# Altium PCB AutoinformerPCB.PcbDoc (part 1 of 2)
Units mm, origin at the board's own origin, x right, y up, seen from the top; angles counter-clockwise.
Board outline 176 x 90 mm, 2 copper layers (Top Layer, Bottom Layer); 240 components, 152 nets, 795 pads, 255 vias.
Unrouted connection lines stored in the file: 2.
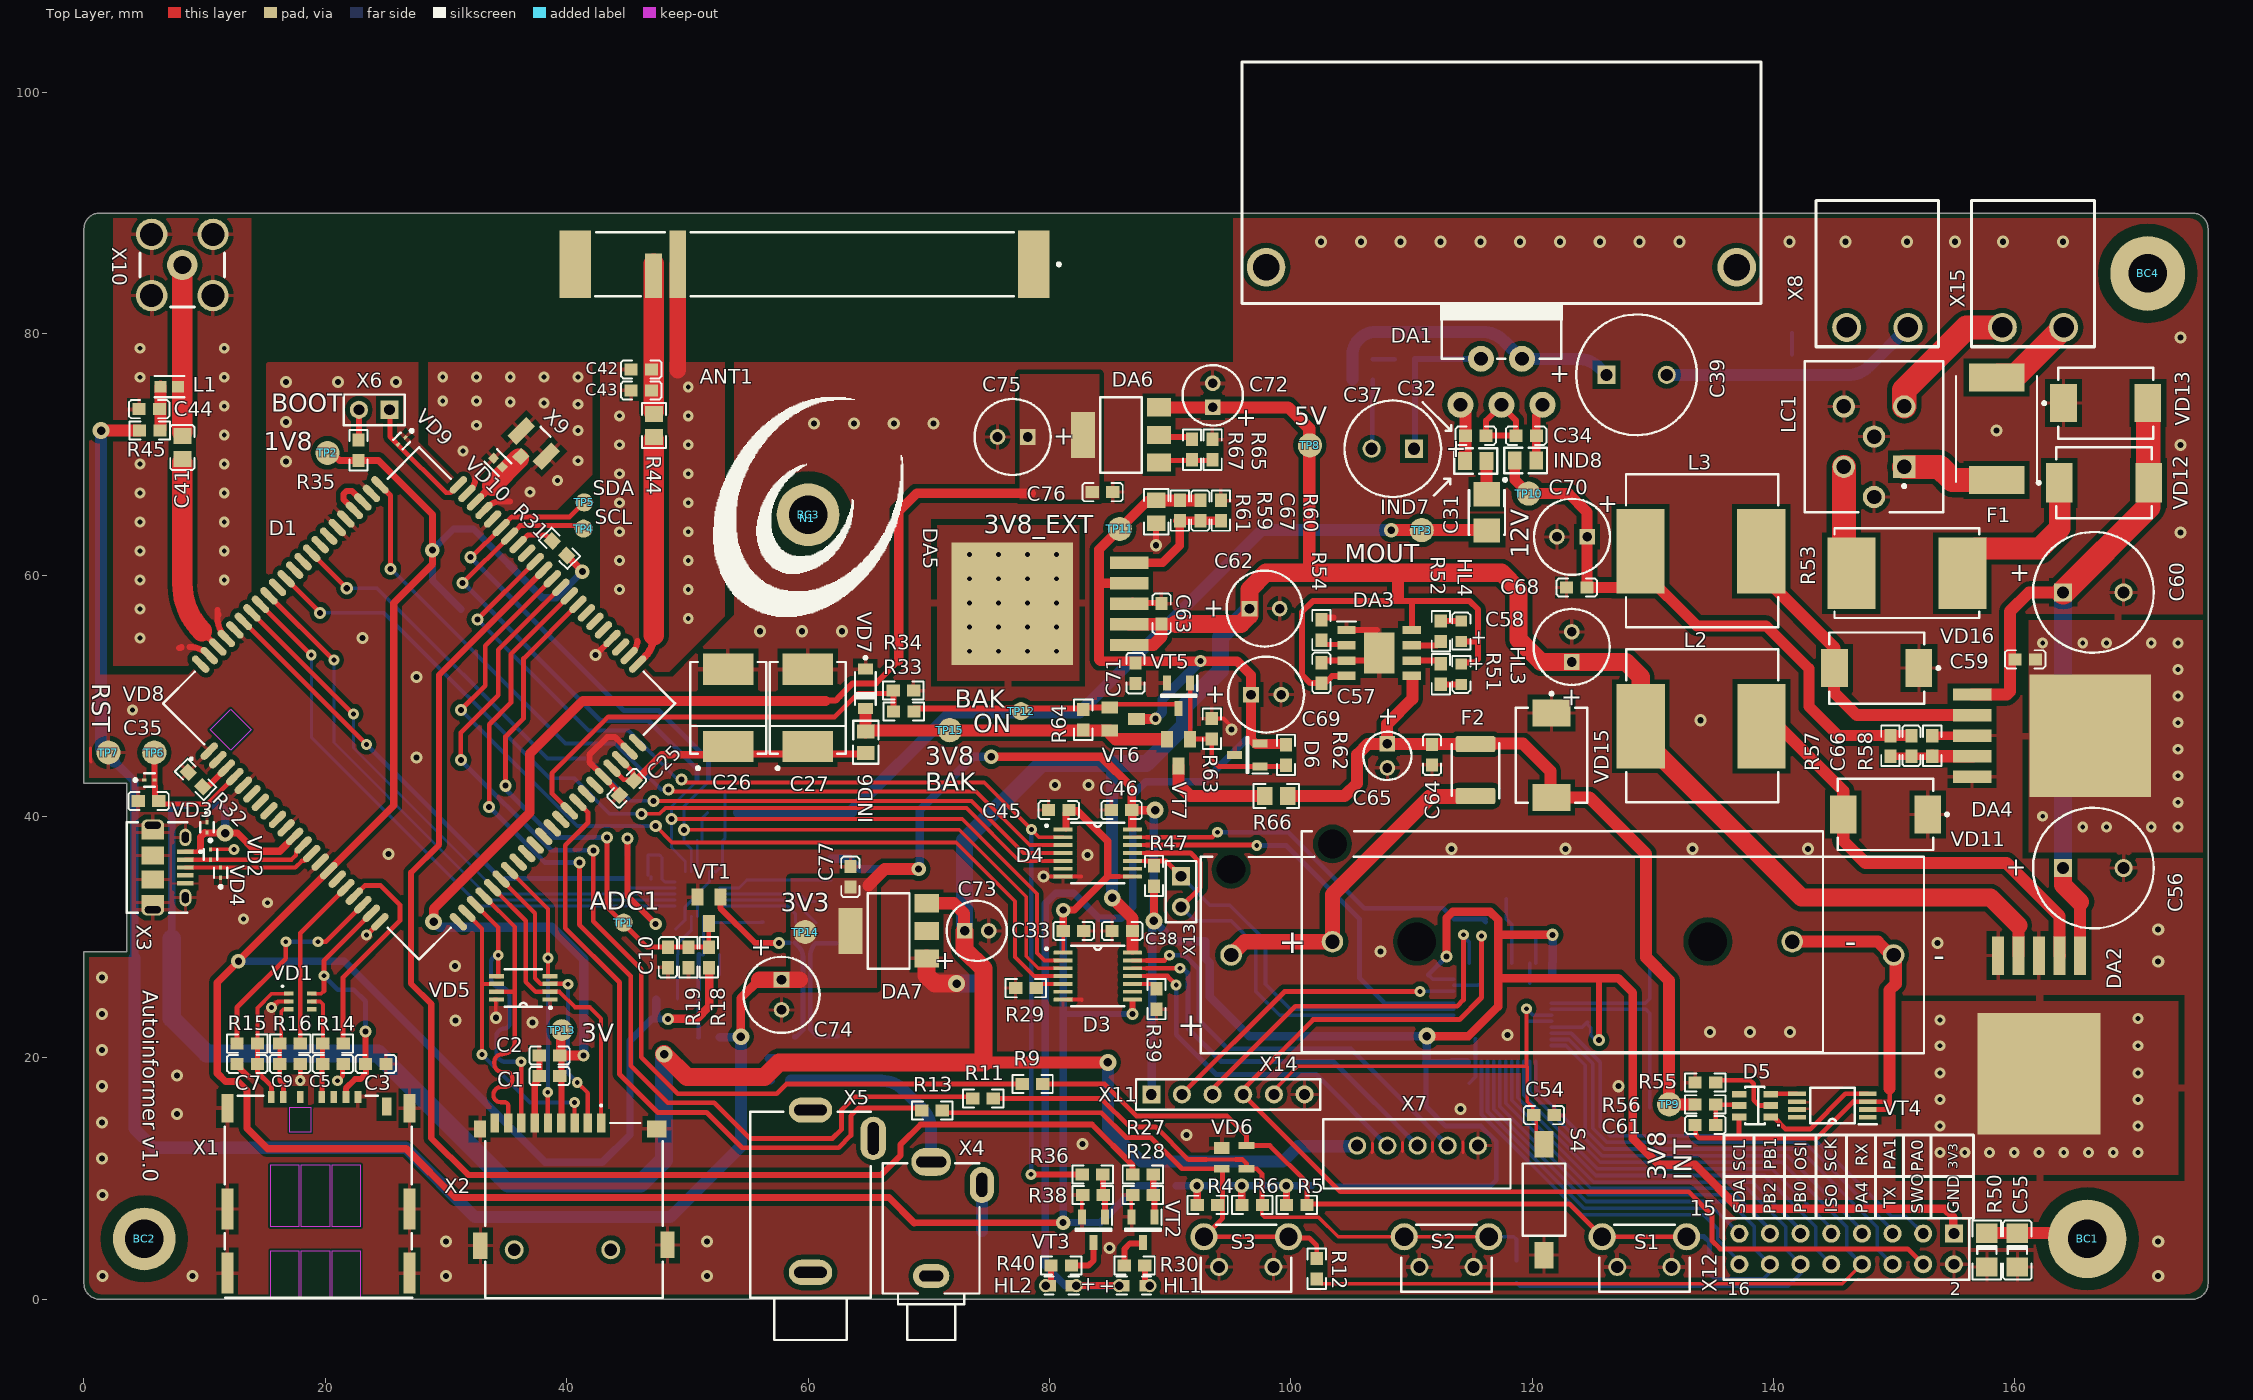
[diagram p0: Top Layer view]
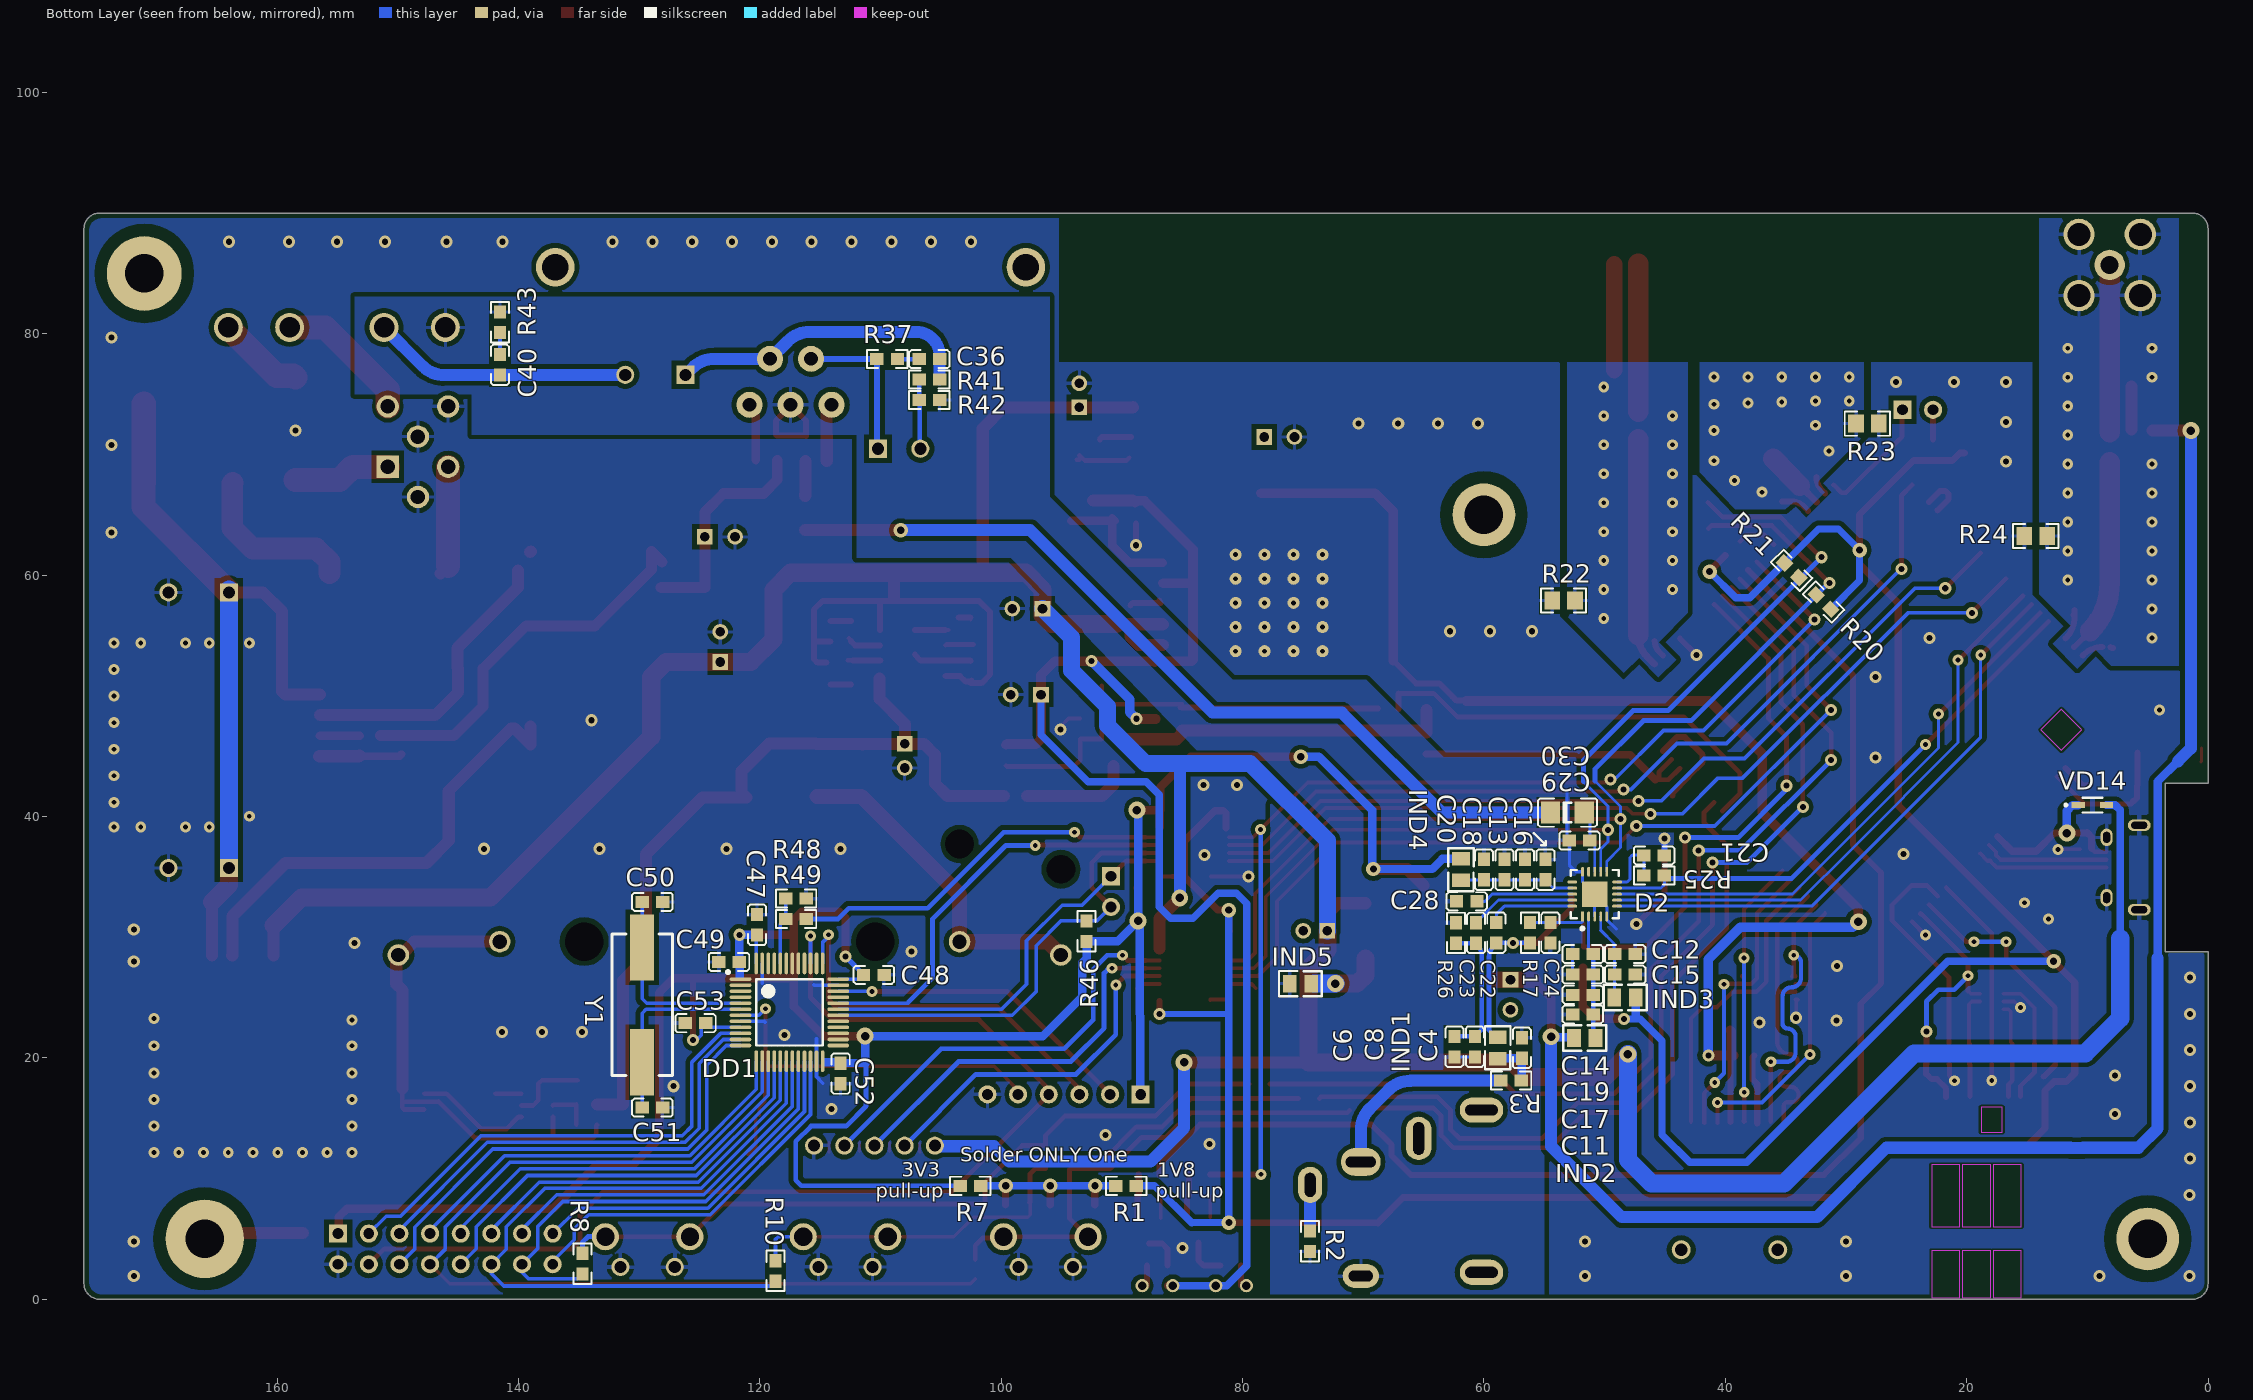
[diagram p1: Bottom Layer view, seen from below]
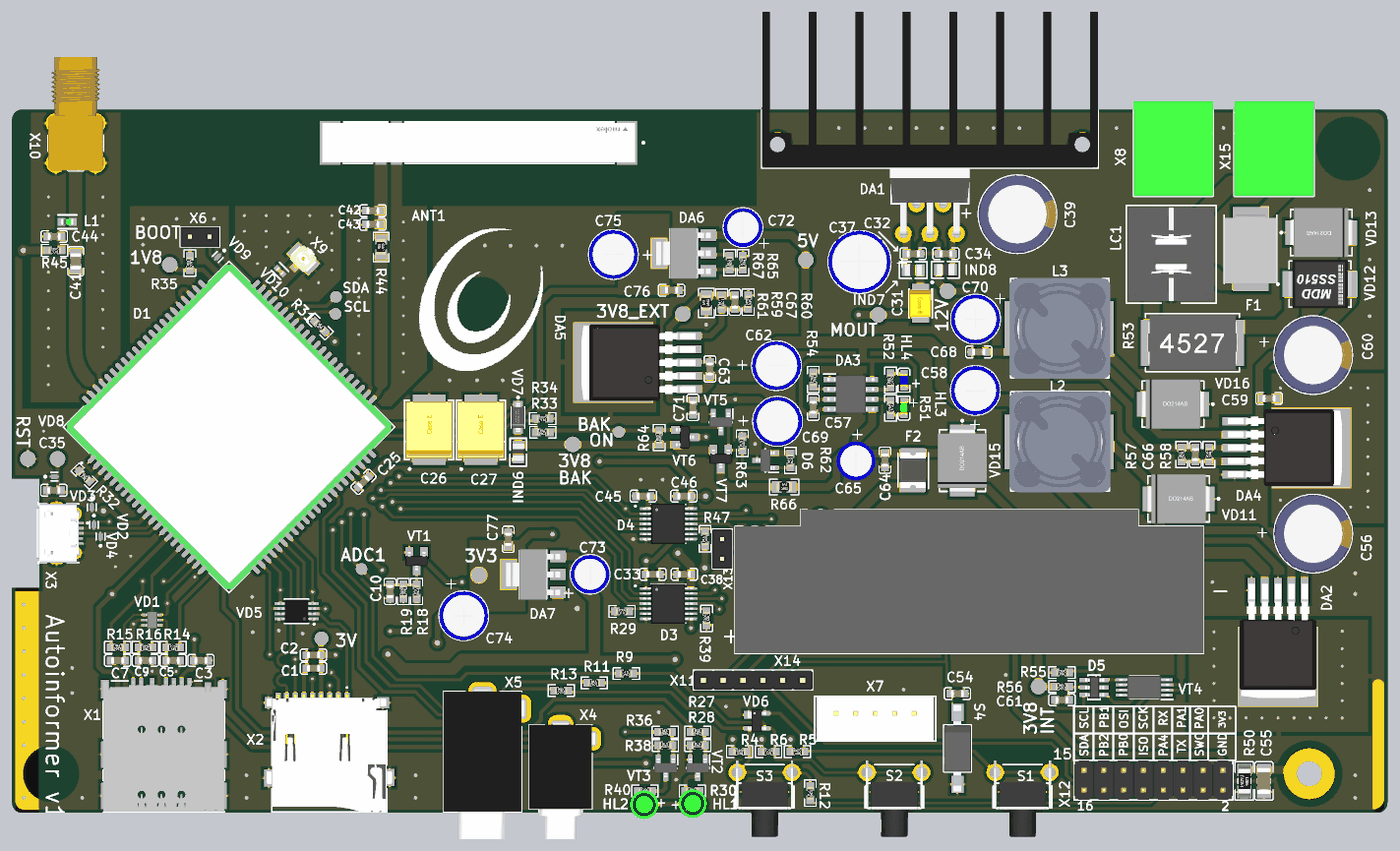
[diagram p3: 3D render of the assembled board from above, using the file's embedded part models]
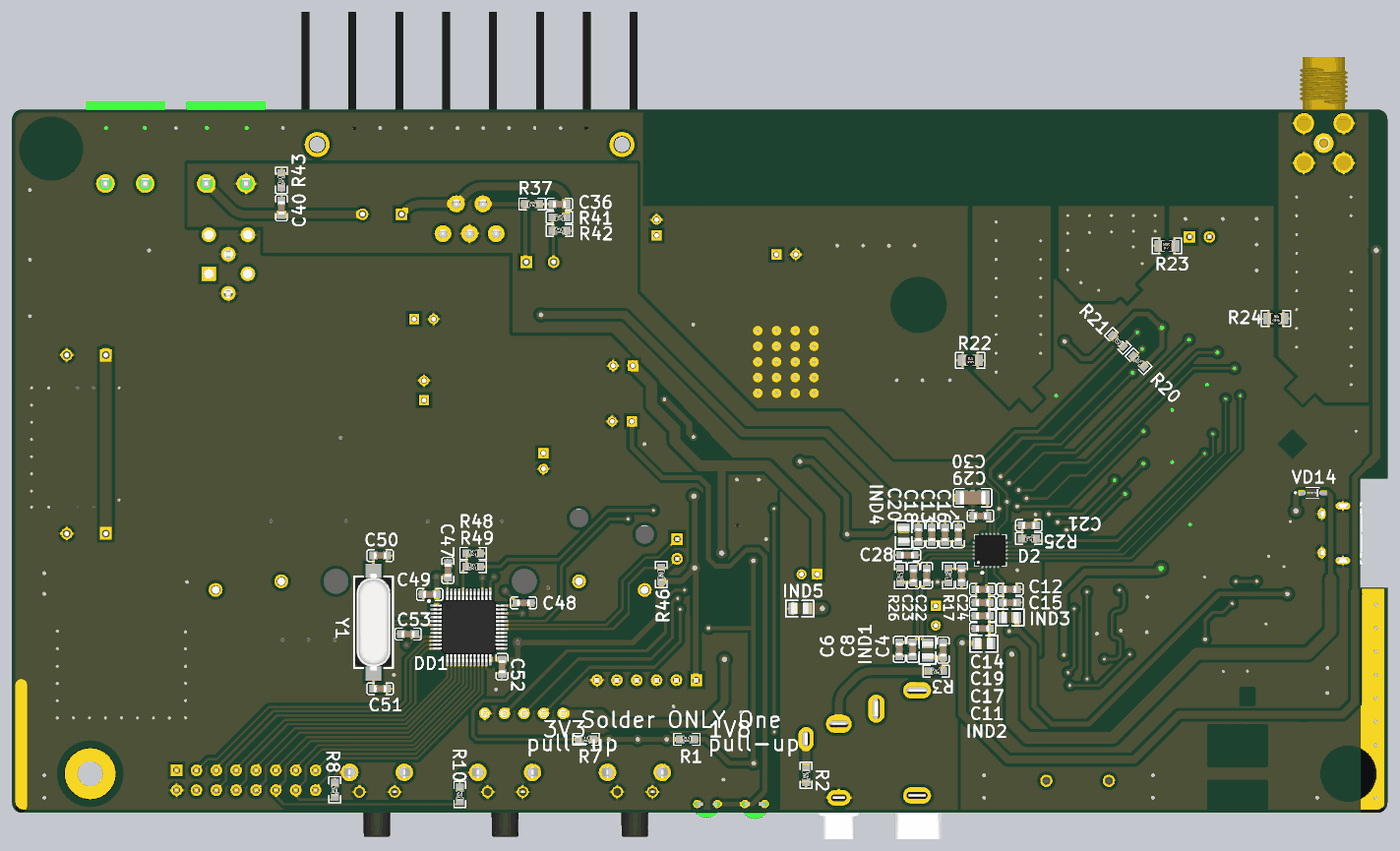
[diagram p4: 3D render of the assembled board from below, using the file's embedded part models]

## Layer stack, top to bottom
Top Solder: solder mask 0.0102, Solder Resist, Dk 3.5
Top Layer: signal copper 0.0356
Dielectric 1: dielectric 0.32, FR-4, Dk 4.8
Bottom Layer: signal copper 0.0356
Bottom Solder: solder mask 0.0102, Solder Resist, Dk 3.5

## Board outline
0,1.3 0,28.775 3.525,28.775 3.525,42.775 0,42.775 0,88.7 cw(c1.3,88.7) 1.3,90 174.7,90 cw(c174.7,88.7) 176,88.7 176,1.3 cw(c174.7,1.3) 174.7,0 1.3,0 cw(c1.3,1.3)

## Design rules (kind name [scope] priority, off if disabled: settings)
Clearance MountingHoleClearance [InNet('No Net')] p1: gap=0.2 ignorepadtopadclearanceinfootprint=TRUE except(0.1: Text-Text; 0.4: Arc-Poly Track-Poly SMDPad-Poly Via-Poly Fill-Poly Poly-Poly; 1: THPad-Poly Poly-Hole)
Clearance BodyConnPadClearance [InPadClass('BodyConnPad')] p2: gap=0.2 ignorepadtopadclearanceinfootprint=TRUE except(0.1: Text-Text; 0.4: Arc-Poly Track-Poly SMDPad-Poly Via-Poly Fill-Poly Poly-Poly; 1: THPad-Poly)
Clearance [All] p3: gap=0.2 ignorepadtopadclearanceinfootprint=TRUE except(0.1: Text-Text; 0.4: Arc-Poly Track-Poly SMDPad-Poly THPad-Poly Via-Poly Fill-Poly Poly-Poly)
DiffPairsRouting [All] p1: maxlimit=0.5 minlimit=0.2 mostfreqgap=0.2 toplayer_minwidth=0.2 toplayer_maxwidth=1 toplayer_prefwidth=0.3 bottomlayer_minwidth=0.2 bottomlayer_maxwidth=1 bottomlayer_prefwidth=0.3 maxuncoupledlength=15
HoleSize [All] p1: absolutevalues=TRUE maxlimit=12.54 minlimit=0.2 maxpercent=80.000 minpercent=20.000
MinimumAnnularRing ViaMinimumAnnularRing [IsVia] p1: minimumring=0.15
MinimumSolderMaskSliver [All] p1: minsoldermaskwidth=0.15
PolygonConnect PolygonDBGGNDConnect [InUnion(2)] p1: connectstyle=Direct reliefconductorwidth=0.254 reliefentries=4 polygonreliefangle="90 Angle" airgapwidth=0
PolygonConnect PolygonANTConnect [InNetClass('ANT_GND_Nets')] p2: thpad.connectstyle=Relief thpad.reliefconductorwidth=0.3 thpad.reliefentries=4 thpad.polygonreliefangle="90 Angle" thpad.airgapwidth=0.4 smdpad.connectstyle=Relief smdpad.reliefconductorwidth=0.3 smdpad.reliefentries=4 smdpad.polygonreliefangle="90 Angle" smdpad.airgapwidth=0.4 via.connectstyle=Direct via.reliefconductorwidth=0.3 via.reliefentries=4 via.polygonreliefangle="90 Angle" via.airgapwidth=0
PolygonConnect PolygonPowerConnect [InPadClass('PowerPad')] p3: connectstyle=Direct reliefconductorwidth=0.254 reliefentries=4 polygonreliefangle="90 Angle" airgapwidth=0.254
PolygonConnect [All] p4: thpad.connectstyle=Relief thpad.reliefconductorwidth=0.3 thpad.reliefentries=4 thpad.polygonreliefangle="90 Angle" thpad.airgapwidth=0.4 smdpad.connectstyle=Relief smdpad.reliefconductorwidth=0.3 smdpad.reliefentries=4 smdpad.polygonreliefangle="90 Angle" smdpad.airgapwidth=0.4 via.connectstyle=Direct via.reliefconductorwidth=0.3 via.reliefentries=4 via.polygonreliefangle="90 Angle" via.airgapwidth=0.4
RoutingVias [All] p1: holewidth=0.4 width=0.8 viastyle="Through Hole" minholewidth=0.2 minwidth=0.4 maxholewidth=6.3 maxwidth=6.5
SolderMaskExpansion [All] p1: expansion=0.102
Width [All] p1: maxlimit=20 minlimit=0.2 preferedwidth=0.3
27 further rules are at their usual default settings.

## Classes and differential pairs
net class ANT_GND_Nets: AUX_GND GNSS_GND MAIN_GND
pad class BodyConnPad: BC1-1 BC2-1 BC3-1 BC4-1
pad class PowerPad: C59-2 C74-1 C75-1 C76-1 C77-1 DA2-6 DA4-6 DA5-6 DA6-4 DA7-4 F2-1 R14-1 R14-2 R15-1 R15-2 R16-1 R16-2 R39-1 TP14-1
component class Sh3_Power: BC1 BC2 BC3 BC4 C55 C56 C57 C58 C59 C60 C61 C62 C63 C64 C65 C66 C67 C68 C69 C70 C71 C72 C73 C74 C75 C76 C77 D5 D6 DA2 DA3 DA4 DA5 DA6 DA7 F1 F2 HL3 HL4 L2 L3 LC1 N1 R50 R51 R52 R53 R54 R55 R56 R57 R58 R59 R60 R61 R62 R63 R64 R65 R66 R67 TP8 TP9 TP10 TP11 TP12 TP13 TP14 TP15 VD11 VD12 VD13 VD14 VD15 VD16 VT4 VT5 VT6 VT7 X14 X15
component class Sh2_MCU: C45 C46 C47 C48 C49 C50 C51 C52 C53 C54 D4 DD1 R46 R47 R48 R49 S4 X11 X12 X13 Y1
component class Sh1_MPU: ANT1 C1 C2 C3 C4 C5 C6 C7 C8 C9 C10 C11 C12 C13 C14 C15 C16 C17 C18 C19 C20 C21 C22 C23 C24 C25 C26 C27 C28 C29 C30 C31 C32 C33 C34 C35 C36 C37 C38 C39 C40 C41 C42 C43 C44 D1 D2 D3 DA1 HL1 HL2 IND1 IND2 IND3 IND4 IND5 IND6 IND7 IND8 L1 R1 R2 R3 R4 R5 R6 R7 R8 R9 R10 R11 R12 R13 R14 R15 R16 R17 R18 R19 R20 R21 R22 R23 R24 R25 R26 R27 R28 R29 R30 R31 R32 R33 R34 R35 R36 R37 R38 R39 R40 R41 R42 R43 R44 R45 S1 S2 S3 SCL SDA TP1 TP2 TP3 TP4 TP5 TP6 TP7 VD1 VD2 VD3 VD4 VD5 VD6 VD7 VD8 VD9 VD10 VT1 VT2 VT3 X1 X2 X3 X4 X5 X6 X7 X8 X9 X10
differential pair USB: +USB_P -USB_N
differential pair MIC: +MIC_P -MIC_N

## Components (designator, comment, footprint, x,y, rotation, side; value= is the part's Value field where it differs from the comment)
ANT1 "146200-00011" Molex_146200-0011_MFG 59.7,85.75 r0 top
BC1 "Mounting Hole" body_connection_1#1 166.025,5.025 r0 top
BC2 "Mounting Hole" body_connection_1#2 -17.288,19.353 r0 top
BC3 "Mounting Hole" body_connection_1#3 -24.963,19.353 r0 top
BC4 "Mounting Hole" body_connection_1#4 -32.664,19.353 r0 top
C1 "4.7uF" C_SMD0603 38.575,18.5 r0 top
C2 "0.1uF" C_SMD0603 38.575,20.2 r0 top
C3 "0.1uF" C_SMD0603 24.175,19.5 r0 top
C4 "10pF" C_SMD0603 56.85,20.825 r90 bottom
C5 "22pF" C_SMD0603 20.625,19.5 r0 top
C6 "10pF" C_SMD0603 62.45,20.925 r90 bottom
C7 "22pF" C_SMD0603 13.525,19.5 r180 top
C8 "0.1uF" C_SMD0603 60.75,20.925 r270 bottom
C9 "22pF" C_SMD0603 17.075,19.5 r0 top
C10 "10nF" C_SMD0603 48.375,28.325 r270 top
C11 "4.7uF" C_SMD0603 51.8,23.6 r0 bottom
C12 "4.7uF" C_SMD0603 48.3,28.6 r180 bottom
C13 "4.7uF" C_SMD0603 56.6,35.6 r90 bottom
C14 "0.1uF" C_SMD0603 51.8,28.6 r0 bottom
C15 "0.1uF" C_SMD0603 48.3,26.9 r180 bottom
C16 "0.1uF" C_SMD0603 54.9,35.6 r90 bottom
C17 "10pF" C_SMD0603 51.8,25.225 r0 bottom
C18 "10pF" C_SMD0603 58.3,35.6 r90 bottom
C19 "33pF" C_SMD0603 51.8,26.9 r0 bottom
C20 "33pF" C_SMD0603 60,35.6 r90 bottom
C21 "100pF" C_SMD0603 45.9,36.775 r0 bottom
C22 "1uF" C_SMD0603 58.975,30.375 r90 bottom
C23 "1uF" C_SMD0603 60.65,30.35 r90 bottom
C24 "4.7uF" C_SMD0603 54.5,30.375 r90 bottom
C25 "1uF" C_SMD0603 44.975,42.35 r225 top
C26 "470uF 6.3V" TECAP_E 53.375,49 r90 top
C27 "470uF 6.3V" TECAP_E 59.975,49 r90 top
C28 "4.7uF" C_SMD0603 61.425,32.975 r180 bottom
C29 "10pF" C_SMD0603 52.075,38 r180 bottom
C30 "1uF" C_SMD1206 53.075,40.325 r180 bottom
C31 "10uF 10V" TECAP_B 116.25,65.2 r270 top
C32 "0.1uF" C_SMD0603 115.325,71.55 r0 top
C33 "0.1uF" C_SMD0603 82,30.525 r0 top
C34 "0.1uF" C_SMD0603 119.5,71.55 r180 top
C35 "0.1uF" C_SMD0603 5.35,41.275 r180 top
C36 "0.039uF" C_SMD0603 105.95,77.9 r0 bottom
C37 "K50-35 470uF 16V" "K50-35 8x11.5x3.5" 108.45,70.475 r0 top
C38 "0.1uF" C_SMD0603 86.025,30.525 r0 top
C39 "K50-35 1000uF 16V" "K50-35 10x12.5x5" 128.65,76.6 r180 top
C40 "0.1uF" C_SMD0603 141.525,77.425 r90 bottom
C41 "22pF" C_SMD0805 8.15,70.575 r270 top
C42 "NС" C_SMD0603 46.175,77.05 r0 top
C43 "NС" C_SMD0603 46.175,75.3 r0 top
C44 "33pF" C_SMD0603 5.4,73.75 r0 top
C45 "0.1uF" C_SMD0603 80.775,40.525 r180 top
C46 "0.1uF" C_SMD0603 85.975,40.525 r0 top
C47 "0.1uF" C_SMD0603 120.225,31.025 r90 bottom
C48 "0.1uF" C_SMD0603 110.55,26.875 r180 bottom
C49 "0.1uF" C_SMD0603 122.55,27.95 r0 bottom
C50 "22pF" C_SMD0603 128.9,32.925 r0 bottom
C51 "22pF" C_SMD0603 128.9,15.875 r0 bottom
C52 "0.1uF" C_SMD0603 113.3,18.7 r270 bottom
C53 "0.1uF" C_SMD0603 125.325,22.875 r0 bottom
C54 "0.1uF" C_SMD0603 120.975,15.25 r0 top
C55 "100pF 2kV" C_SMD1206 160.2,4.075 r270 top
C56 "K50-35 220uF 50V" "K50-35 10x12.5x5" 166.5,35.725 r180 top
C57 "10uF" C_SMD0603 102.525,51.9 r270 top
C58 "K50-35 220uF 16V" "K50-35 6.3x11x2.5" 123.275,54.05 r270 top
C59 "0.1uF" C_SMD0603 160.85,53.025 r0 top
C60 "K50-35 220uF 50V" "K50-35 10x12.5x5" 166.5,58.575 r180 top
C61 "0.1uF" C_SMD0603 134.35,14.45 r180 top
C62 "K50-35 100uF 16V" "K50-35 6.3x11x2.5" 97.825,57.225 r180 top
C63 "1uF" C_SMD0603 89.3,56.8 r90 top
C64 "10uF" C_SMD0603 111.7,45.125 r270 top
C65 "K50-35 33uF 6.3V" "K50-35mini 4x7x2" 108,45.025 r90 top
C66 "0.1uF" C_SMD0603 151.425,45.85 r270 top
C67 "0.1uF" C_SMD0603 92.5,65.35 r270 top
C68 "0.1uF" C_SMD0603 123.7,58.975 r180 top
C69 "K50-35 220uF 6.3V" "K50-35 6.3x11x2.5" 97.95,50.1 r180 top
C70 "K50-35 220uF 16V" "K50-35 6.3x11x2.5" 123.3,63.175 r0 top
C71 "0.1uF" C_SMD0603 87.125,51.875 r270 top
C72 "K50-35 100uF 10V" "K50-35 5x11x2" 93.525,74.9 r270 top
C73 "K50-35 100uF 10V" "K50-35 5x11x2" 73.975,30.525 r180 top
C74 "K50-35 220uF 6.3V" "K50-35 6.3x11x2.5" 57.8,25.225 r90 top
C75 "K50-35 220uF 6.3V" "K50-35 6.3x11x2.5" 76.95,71.45 r0 top
C76 "0.1uF" C_SMD0603 84.4,66.875 r0 top
C77 "0.1uF" C_SMD0603 63.5,35 r90 top
D1 "SIM7600E-H" IC_SIM7600E-H 27.773,49.378 r45 top
D2 "NAU8810YG" NAU8810YG 50.82,33.57 r90 bottom
D3 "TXB0104PWR" SOP65P640X120-14N 84,26.775 r0 top
D4 "TXB0104PWR" SOP65P640X120-14N 84,36.975 r0 top
D5 "DW01A" SOT23-6-D 138.45,16.05 r90 top
D6 "MCP130T-315I/TT" SOT23-3 96.4,45.1 r180 top
DA1 "TDA2003V" "TDA2003V _HS-117-30 (ABM-161-30)" 117.45,82.52 r0 top
DA2 "LM2576S-5.0" TO263-5 161.921,19.264 r180 top
DA3 "TP4056" SOIC127P600X175-9N 107.325,53.55 r0 top
DA4 "LM2596S-ADJ" TO263-5 165.661,46.619 r270 top
DA5 "MIC29302WU" "TO263-5 - heatsink" 77.4,57.7 r90 top
DA6 "LM1117GS-ADJ" SOT223 85.925,71.6 r90 top
DA7 "LM1117GS-3.3" SOT223 66.675,30.5 r90 top
DD1 "STM32L151CBT6A" LQFP48_N 117.55,23.775 r180 bottom
F1 "MF-SM185/33-2" FUSM8867X300N 158.475,72.125 r270 top
F2 "1812L125/6PR" FUSSC324X455X62L 115.3,43.85 r270 top
HL1 "TO-1608BC-MYF" "LED_SMD1608 + THR0254" 87.05,1.125 r0 top
HL2 "TO-1608BC-MRE" "LED_SMD1608 + THR0254" 80.95,1.125 r180 top
HL3 "TO-1608BC-PG" LED_SMD1608GREEN 114.125,51.8 r270 top
HL4 "TO-1608BC-BF" LED_SMD1608 114.125,55.35 r90 top
IND1 "BLM21PG121SN1D" BLM21PG221_0805 58.85,20.825 r270 bottom
IND2 "BLM21SP102SN1D" BLM21PG221_0805 51.65,21.65 r180 bottom
IND3 "BLM21SP102SN1D" BLM21PG221_0805 48.3,25 r0 bottom
IND4 "BLM21SP102SN1D" BLM21PG221_0805 61.9,35.6 r270 bottom
IND5 "BLM21PG221SN1D" BLM21PG221_0805 75.2,26.15 r180 bottom
IND6 "BLM21PG300SN1D" BLM21PG221_0805 64.775,46.15 r90 top
IND7 "BLM21PG221SN1D" BLM21PG221_0805 115.325,69.45 r180 top
IND8 "BLM21SP102SN1D" BLM21PG221_0805 119.45,69.5 r0 top
L1 "LQG18HN47NJ" L0603 7.075,75.625 r0 top
L2 "SRR1208-330YL" SRR1208 134,47.475 r180 top
L3 "SRR1208-220ML" SRR1208 133.975,61.975 r180 top
LC1 "BNX003-01" Murata_BNX_L12MM5_W11MM5_T13MM0_MFG 148.325,71.475 r270 top
N1 "Logo" LOGO_SS 59.925,64.725 r0 top
R1 "0" R_SMD0603 89.65,9.4 r180 bottom
R2 "0" R_SMD0603 74.4,4.8 r90 bottom
R3 "68" R_SMD0603 57.75,18.125 r0 bottom
R4 "10k" R_SMD0603 93.1,7.825 r180 top
R5 "10k" R_SMD0603 100.5,7.825 r180 top
R6 "10k" R_SMD0603 96.8,7.825 r180 top
R7 "0 (NC)" R_SMD0603 102.55,9.4 r180 bottom
R8 "0 (NC)" R_SMD0603 134.7,2.95 r90 bottom
R9 "0" R_SMD0603 78.6,17.825 r0 top
R10 "0 (NC)" R_SMD0603 118.7,2.35 r90 bottom
R11 "0" R_SMD0603 74.5,16.625 r0 top
R12 "0 (NC)" R_SMD0603 102.15,2.525 r90 top
R13 "0" R_SMD0603 70.275,15.65 r0 top
R14 "22" R_SMD0603 20.625,21.175 r180 top
R15 "22" R_SMD0603 13.525,21.175 r0 top
R16 "22" R_SMD0603 17.075,21.175 r180 top
R17 "2.2k" R_SMD0603 56.175,30.375 r270 bottom
R18 "1k" R_SMD0603 51.775,28.325 r90 top
R19 "1k" R_SMD0603 50.075,28.325 r270 top
R20 "2.2k" R_SMD0603 31.85,57.775 r225 bottom
R21 "2.2k" R_SMD0603 34.5,60.4 r45 bottom
R22 "0 (NC)" R_SMD0805 53.4,57.9 r180 bottom
R23 "0 (NC)" R_SMD0805 28.225,72.55 r0 bottom
R24 "0 (NC)" R_SMD0805 14.275,63.25 r180 bottom
R25 "0" R_SMD0603 45.9,35.1 r0 bottom
R26 "2.2k" R_SMD0603 62.325,30.35 r90 bottom
R27 "10k" R_SMD0603 87.75,10.325 r0 top
R28 "10k" R_SMD0603 87.75,8.625 r0 top
R29 "47k" R_SMD0603 78.05,25.775 r180 top
R30 "360" R_SMD0603 87.05,2.8 r0 top
R31 "10k" R_SMD0603 39.4,62.225 r315 top
R32 "0" R_SMD0603 9.25,43.075 r135 top
R33 "2.2k" R_SMD0603 67.925,48.7 r0 top
R34 "1.5k" R_SMD0603 67.9,50.45 r180 top
R35 "10k" R_SMD0603 22.75,70.35 r90 top
R36 "10k" R_SMD0603 83.575,10.325 r0 top
R37 "39" R_SMD0603 109.45,77.9 r0 bottom
R38 "10k" R_SMD0603 83.6,8.625 r0 top
R39 "47k" R_SMD0603 88.875,24.875 r270 top
R40 "360" R_SMD0603 80.975,2.8 r180 top
R41 "220" R_SMD0603 105.95,76.2 r0 bottom
R42 "2.2" R_SMD0603 105.95,74.5 r180 bottom
R43 "1" R_SMD0603 141.525,80.95 r90 bottom
R44 "0" R_SMD0805 47.225,72.4 r90 top
R45 "10" R_SMD0603 5.45,71.975 r180 top
R46 "10k" R_SMD0603 92.925,30.5 r90 bottom
R47 "10k" R_SMD0603 88.675,35.075 r90 top
R48 "10k" R_SMD0603 117,33.2 r180 bottom
R49 "10k" R_SMD0603 117,31.5 r180 bottom
R50 "1M" R_SMD1206 157.675,4.075 r270 top
R51 "430" R_SMD0603 112.425,51.8 r270 top
R52 "360" R_SMD0603 112.425,55.35 r90 top
R53 "WSC45272R000FEA" R_SMD4527 151.05,60.15 r0 top
R54 "1.2k" R_SMD0603 102.525,55.45 r270 top
R55 "1k" R_SMD0603 134.35,17.95 r180 top
R56 "100" R_SMD0603 134.35,16.15 r0 top
R57 "3.9k" R_SMD0603 149.675,45.85 r90 top
R58 "1k" R_SMD0603 153.15,45.85 r270 top
R59 "100k" R_SMD0603 90.8,65.35 r90 top
R60 "47k" R_SMD0603 94.2,65.35 r270 top
R61 "470" R_SMD0805 88.85,65.25 r90 top
R62 "(NC)" R_SMD0603 99.6,45.1 r90 top
R63 "100k" R_SMD0603 93.45,47.275 r90 top
R64 "100k" R_SMD0603 82.8,48.025 r90 top
R65 "1.3k" R_SMD0603 93.525,70.4 r270 top
R66 "0.1" R_SMD0805 98.8,41.7 r0 top
R67 "1k" R_SMD0603 91.825,70.4 r90 top
S1 "KLS7-TS6606" "KLS7-TS6606 -7.0" 129.3,3.4 r0 top
S2 "KLS7-TS6606" "KLS7-TS6606 -7.0" 112.9,3.4 r0 top
S3 "KLS7-TS6606" "KLS7-TS6606 -7.0" 96.3,3.4 r0 top
S4 "1437566-3" 1437566-3 120.975,8.25 r270 top
TP1 "Test_point" TEST_POINT#1 44.725,31.2 r0 top
TP2 "Test_point" TEST_POINT#2 20.175,70.125 r0 top
TP3 "Test_point" TEST_POINT#2 110.85,63.725 r270 top
TP4 "Test_point" TEST_POINT#1 41.4,63.85 r0 top
TP5 "Test_point" TEST_POINT#1 41.45,66.025 r0 top
TP6 "Test_point" TEST_POINT#2 5.825,45.3 r0 top
TP7 "Test_point" TEST_POINT#2 2.025,45.3 r0 top
TP8 "Test_point" TEST_POINT#2 101.575,70.75 r90 top
TP9 "Test_point" TEST_POINT#2 131.35,16.15 r180 top
TP10 "Test_point" TEST_POINT#2 119.7,66.75 r90 top
TP11 "Test_point" TEST_POINT#2 85.825,63.825 r270 top
TP12 "Test_point" TEST_POINT#1 77.65,48.725 r270 top
TP13 "Test_point" TEST_POINT#3 39.6,22.3 r90 top
TP14 "Test_point" TEST_POINT#2 59.75,30.425 r270 top
TP15 "Test_point" TEST_POINT#2 71.75,47.15 r0 top
VD1 "SMF05C" SMF05C 17.925,24.675 r270 top
VD2 "ESD9L5.0ST5G" ESD9L5_514AB 10.475,36.85 r270 top
VD3 "ESD9L5.0ST5G" ESD9L5_514AB 10.2,39.1 r270 top
VD4 "ESD9L5.0ST5G" ESD9L5_514AB 11.325,35.35 r90 top
VD5 "SP0506BAATG" SOP65P490X110-8N 36.4,25.8 r180 top
VD6 "SP0503BAHTG" SP0503BAHTG 95.3,11.775 r0 top
VD7 "MMSZ5231B-TP" SOD-123_3716X135N 64.75,50.6 r90 top
VD8 "ESD9L3.3ST5G" ESD9L5_514AB 5.425,43.025 r0 top
VD9 "ESD9L3.3ST5G" ESD9L5_514AB 26.325,71.125 r225 top
VD10 "LXES15AAA1-153" Murata_LXES15_IPC_A 34.3,69.325 r315 top
VD11 "SS36" "DO214AB SMC" 149.275,40.175 r180 top
VD12 "SS510" SMC 167.375,67.65 r180 top
VD13 "SM15T39CA" "DO214AB SMC" 167.525,74.25 r0 top
VD14 "BAT60AE6327HTSA1" SOD-323 9.575,40.95 r180 bottom
VD15 "SS34" "DO214AB SMC" 121.6,45.075 r270 top
VD16 "SS36" "DO214AB SMC" 148.55,52.3 r180 top
VT1 "2N7002" SOT23 51.775,32.225 r180 top
VT2 "BC850B" SOT23-3 87.75,5.75 r270 top
VT3 "BC850B" SOT23-3 83.65,5.75 r270 top
VT4 "FS8205A" SOP65P640X120-8N 144.875,16.05 r180 top
VT5 "BSS138" SOT23-3 90.7,50 r270 top
VT6 "IRLML6402" SOT23 86.1,48.075 r270 top
VT7 "IRLML6402" SOT23 90.7,45.3 r180 top
X1 "5039600696" MOLEX_uSIM_5039600696 27.475,17.025 r180 top
X2 "112J-TDAR-R" 112JTDARR 40.6,14.6 r0 top
X3 "1050170001" "MOLEX_1050170001 - compact" 6.05,35.775 r270 top locked
X4 "PY-401N" "PY-401N - compact" 74.2,11.275 r180 top locked
X5 "PY-601N" "PY-601N - compact" 65.2,15.525 r180 top locked
X6 "DS1021_1x2" PLD2 24.05,73.7 r180 top
X7 "DS1069-5M" DS1069-5M 110.5,12.725 r180 top